# KiCad board Rogelio Pineda - connect 4 AMLDC-2044B.kicad_pcb (continued)
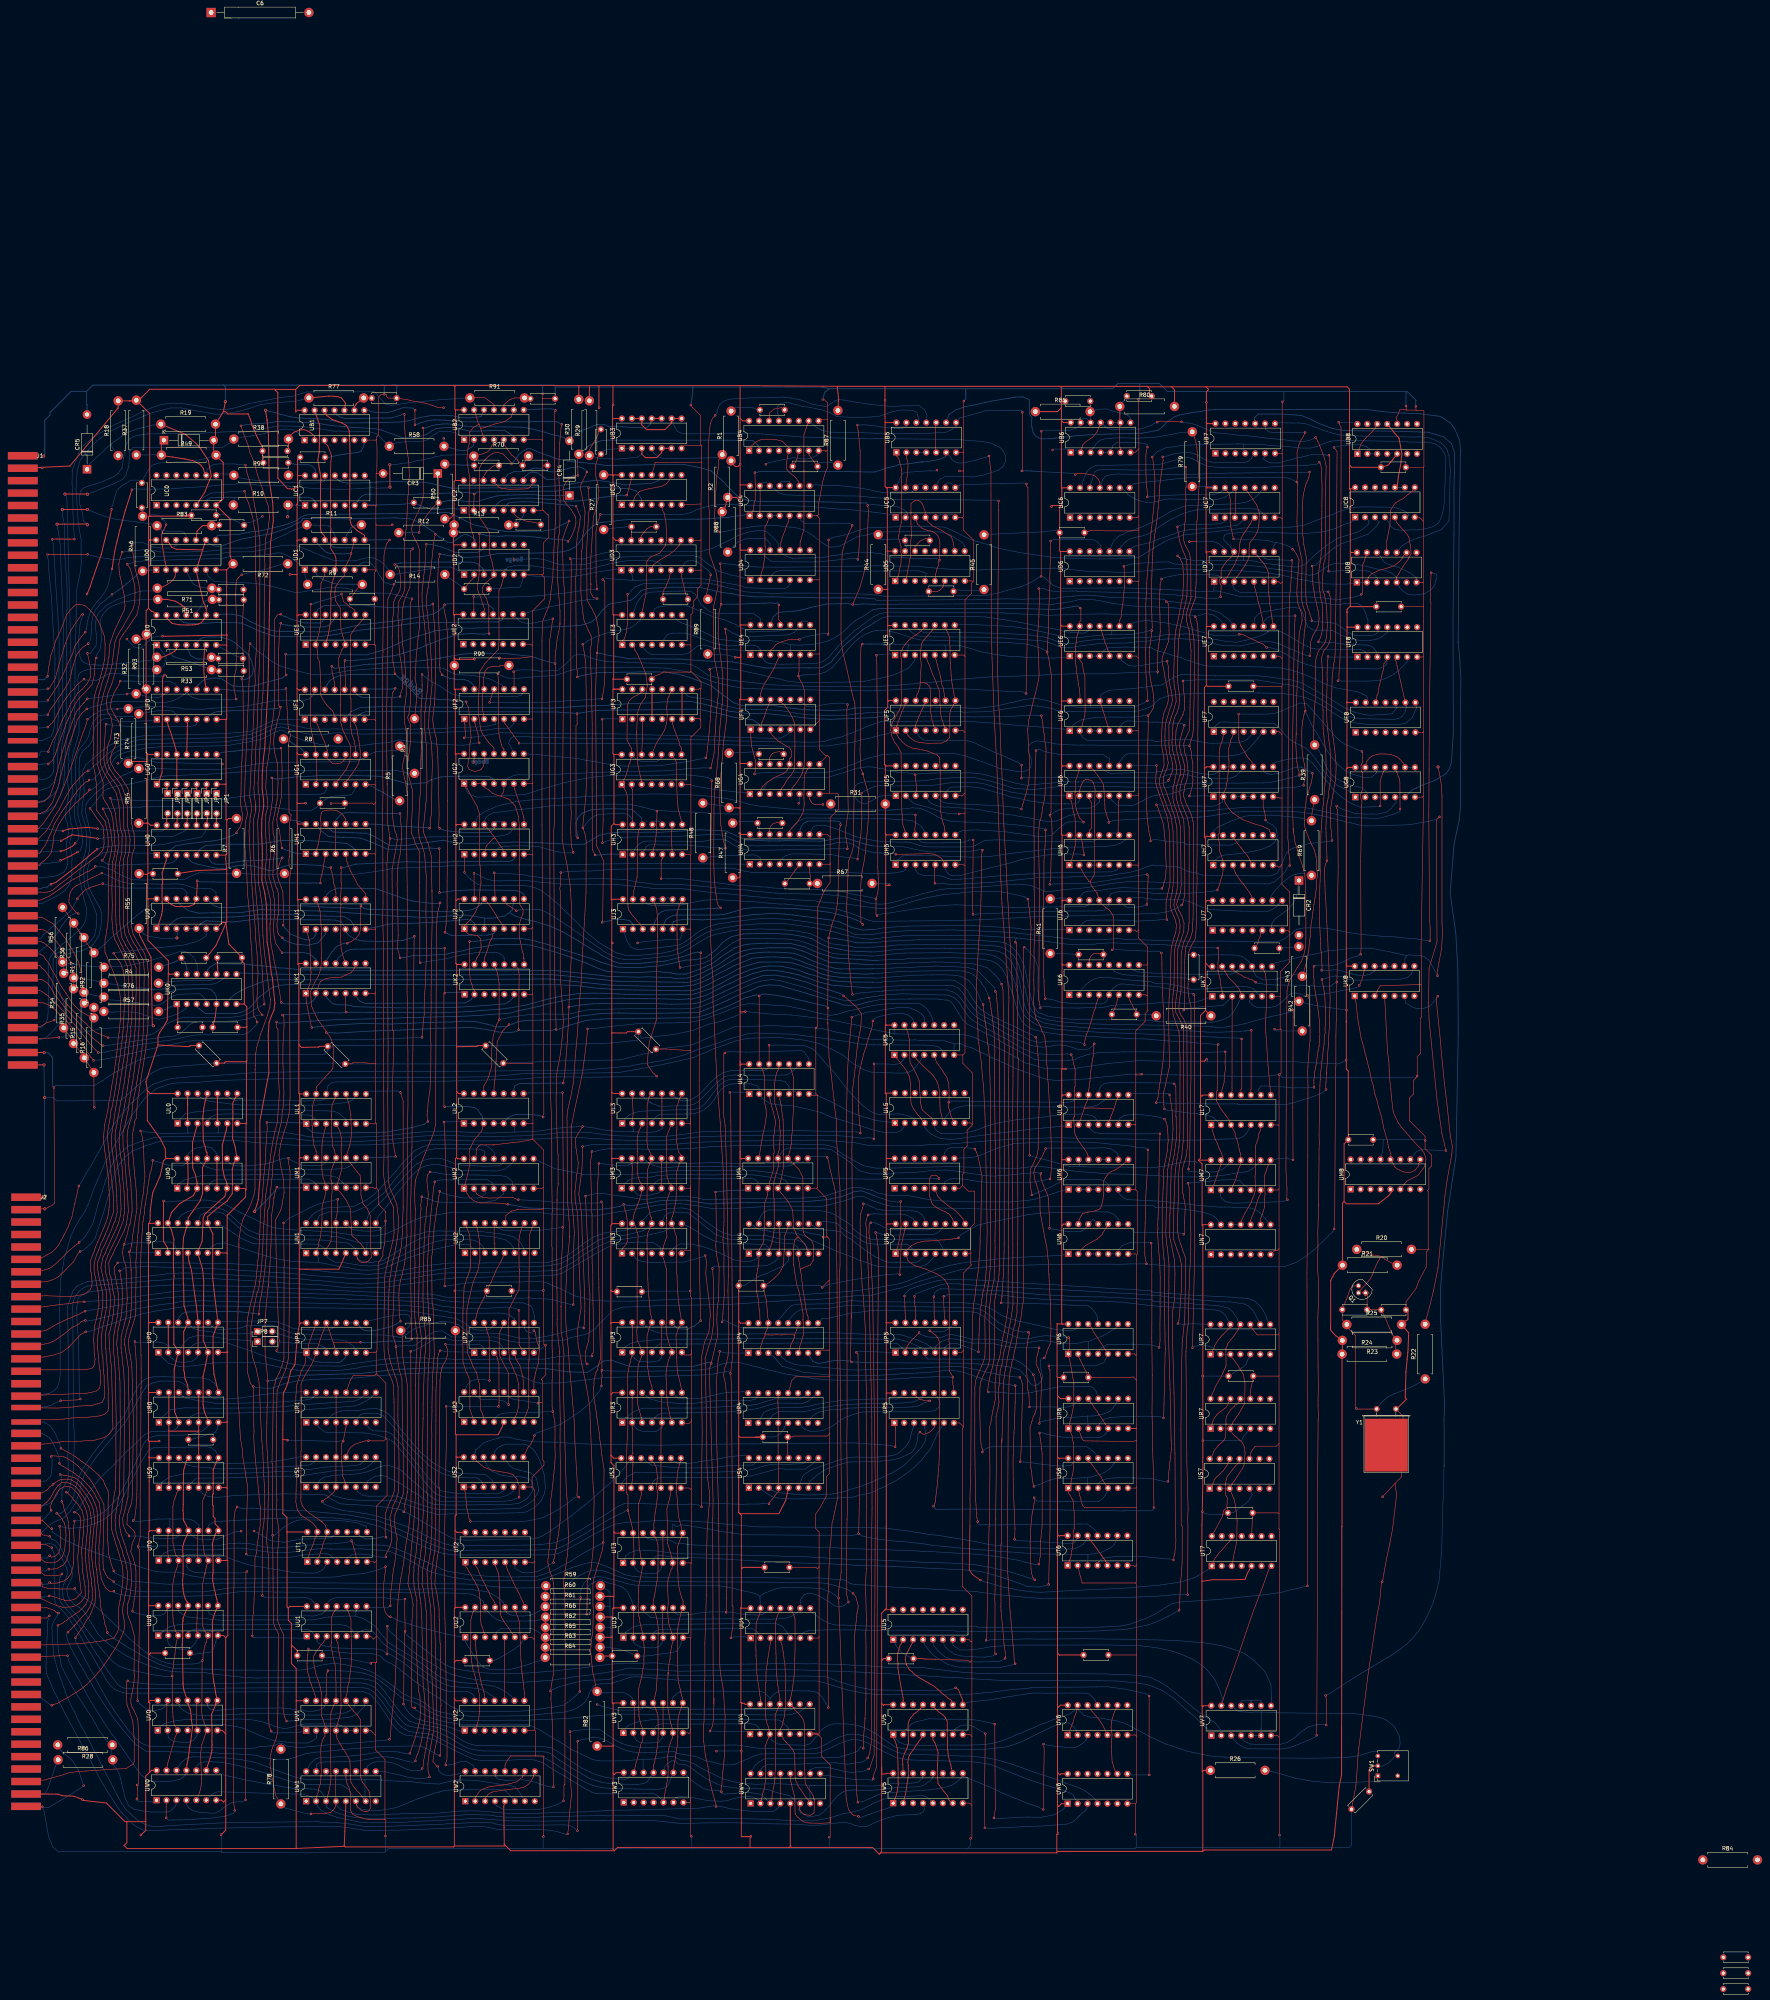
[diagram p0: board, top side]
## Routing (per net, layer and track width the routed paths; a pad name or vN(x,y) marks a point on that pad's centre or on a via; arc(x,y) is an arc through that point) (continued)
  Bottom w0.2: 441.09,317.64 441.26,320.81 441.19,349.87 441.43,371.02 441.45,376.53 441.43,380.21 441.43,382.74 441.62,390.93 441.57,392.17 440.84,394.45 438.77,396.22 434.83,397.39 426.26,397.66 413.26,397.81 410.23,398.4 406.91,399.62 405.1,400.56 402.4,401.69 400.17,401.85 398.69,401.96 395.07,402.05 392.2,402.02 391.43,402.05 390.54,401.16 390.36,399.88 UB7.10 ; 441.09,317.64 440.79,313.18 440.27,311.44 439.4,310.21 436.75,308.56 433.54,307.34 431.86,306.54 430.87,306.14 UG8.6 ; 441.09,317.64 441.09,317.47 441.07,317.45
L2p2: length 211.4
  Top w0.15: v1(183.59,179.32) 184.14,201.68 183.62,217.01 183.6,218.16 v1(183.39,221.22)
  Bottom w0.15: UL2.2 UL2.1 188.18,220.86 187.67,221.37 185.41,221.25 184.24,221.27 183.45,221.22 v1(183.39,221.22) ; UN6.1 340.96,187.15 334.06,186.84 330.71,186.68 327.6,186.46 326.47,186.37 324.55,186.23 322.73,185.97 322.34,185.94 321.42,185.85 318.77,185.61 318.76,185.6 316.58,185.36 315.2,185.12 314,184.88 312.93,184.68 309.63,183.8 308.63,183.4 307.2,182.8 305.77,182.27 304.22,181.6 301.97,180.65 299.56,179.88 295.33,179.16 294.92,179.07 294.46,178.96 293.14,178.76 292.14,178.65 289.11,178.16 284.1,177.75 279.6,177.48 275.72,177.19 265.97,176.83 254.12,176.37 247.45,176.09 237.3,175.72 231.3,175.47 224.44,175.51 221.25,175.7 216.81,176.82 214.42,178 212.41,178.99 211.49,179.27 209.31,180.28 207.77,180.52 204.64,180.43 201.94,180.35 198.4,180.31 197.99,180.34 196.54,180.34 193.02,180.26 192.66,180.22 189.43,180.14 187.23,179.85 185.11,179.47 184.48,179.38 184.26,179.32 v1(183.59,179.32)
L3p1: length 52.5
  Bottom w0.15: UL4.6 273.2,229.08 272.44,229.11 271.73,228.39 UL4.5 271.59,230.16 271.13,230.84 270.56,231.48 269.52,231.83 267.76,231.92 266.61,231.93 264.35,232.04 262.41,232.03 257.54,232.07 256.08,231.98 255.07,231.52 254.27,231.07 253.34,230.27 251.67,227.94 251.41,227.61 249.97,225.79 248.64,224.83 247.53,224.5 243.64,224.37 237.57,224.15 236.8,224.14 233.36,223.95 232.15,223.61 230.81,223.07 230.03,222.43 UL3.1
L3p4: length 74.1
  Bottom w0.15: UL3.4 236.94,221.88 237.58,222.57 238.54,223.18 240.46,223.21 244.7,223.27 245.78,223.27 247.49,223.4 248.73,223.84 250.02,224.49 251.38,225.67 252.44,226.97 253.29,228.48 254.25,229.52 255.16,230.35 256.46,230.88 258.8,231.03 260.43,230.96 261.88,230.98 263.4,230.42 263.78,229.89 263.91,229.75 UL4.2 264.72,227.22 265.49,226.64 266.85,225.89 269.23,225.56 272.21,225.4 277.69,224.2 279.92,223.57 282.08,222.53 284.04,221.97 285.37,221.59 286.47,221.27 287.78,220.83 289.42,220.38 290.35,220.07 292.57,219.34 293.61,219.05 294.47,218.8 295.36,218.67 296.39,218.49 297.49,218.5 298.44,218.5 299.76,218.75 300.43,219.28 300.88,219.95 UL5.2
L3p9: length 79.9
  Top w0.15: 266.42,240.93 266.45,240.89 266.45,240.86 v1(266.42,240.83) 266.45,240.79 UL4.12
  Bottom w0.15: 244.27,226.65 244.77,226.6 245.2,226.66 245.62,226.75 246.42,226.87 248.06,227.83 249.94,229.59 250.63,230.4 251.23,231.1 252.88,232.65 254.57,233.76 256.56,234.35 261.5,234.34 262.25,234.35 264.42,234.37 265.21,234.4 265.73,234.64 265.84,234.76 266.18,235.03 UL4.12 ; UL5.3 303.49,221.96 303.06,222.33 302.54,222.56 300.57,223.18 299.22,223.32 297.76,223.22 296.88,223.19 295.81,223.1 294.7,223.1 293.65,223.35 293.13,223.59 292.22,224.04 290.4,225.41 287.83,227.98 286.3,229.71 283.43,233.44 282.23,234.79 280.58,236.59 279.34,238.11 277.62,239.9 275.3,240.75 273.58,240.74 272.74,240.75 270.71,240.86 267.54,240.87 267.04,240.87 266.78,240.83 v1(266.42,240.83) ; 244.31,226.64 243.8,226.73 242.53,227.45 UL3.9
L3p12: length 45.3
  Bottom w0.15: UL4.9 273.34,235.04 272.54,234.25 271.02,233.24 267.62,233.17 261.73,233.17 257.62,233.23 255.15,232.88 253.03,231.17 249.54,227.56 248.41,226.46 247.36,225.86 246.2,225.46 244.61,225.36 242.94,225.39 239.85,225.25 238.45,225.26 237.2,225.69 236.5,225.96 235.96,226.29 234.66,227.21 UL3.12
L6p3: length 91
  Top w0.15: v1(366.31,218.24) 366.29,216.97 366.25,215.92 366.11,211.44 366.13,210.59 366.06,208.1 366.07,206.62 366.03,203.01 365.99,202.17 365.89,198.98 365.89,198.04 365.81,196.48 365.73,194.78 365.8,194.01 365.69,192.96 365.71,192.94 365.85,190.17 365.94,189.07 366.12,186.88 366.15,186.16 366.25,185.14 366.38,181.52 366.35,174.88 366.35,173.37 366.35,172.17 366.3,169.35 366.34,165.47 366.27,164.71 v1(366.08,163.62)
  Bottom w0.15: v1(366.31,218.24) 365.58,218.29 364.3,218.29 363.69,218.2 352.82,218.21 351.15,218.35 350.51,218.4 349.54,218.57 348.26,219.63 UL6.3 ; UP6.4 350.84,163.01 351.44,163.56 352.8,164.41 355.78,164.41 356.84,164.43 359.63,164.48 361.78,164.33 363.87,164.31 365.25,164 v1(366.08,163.62)
L6p6: length 108.5
  Top w0.15: v1(367.25,145.62) 367.35,149.03 367.4,151.66 367.42,153.26 367.64,162.22 367.67,163.38 367.62,164.93 367.6,166.26 367.59,167.11 367.48,173.11 367.47,173.38 367.46,174.67 367.53,182.22 367.51,184.54 367.34,186.34 367.24,187.16 366.91,191.58 366.9,192.08 366.89,192.93 366.9,199.86 367.03,201.91 367.1,203.9 367.24,205.67 367.22,206.81 367.24,208.91 367.51,210.45 367.72,211.31 367.9,212.25 368.18,213.7 368.22,214.52 368.33,215.63 368.43,216.55 368.4,216.58 368.31,218.68 368.28,219.36 368.13,220.36 367.83,221.32 v1(367.48,221.97)
  Bottom w0.15: 360.74,146.09 362.93,146.09 365.47,145.93 366.44,145.95 v1(367.25,145.62) ; 360.74,146.09 357.77,146.05 356.34,145.94 353.76,145.71 353.21,145.64 352.08,145.33 350.77,144.16 UR6.4 ; 360.74,146.09 360.7,146.13 ; v1(367.48,221.97) 366.48,222.31 365.91,222.45 365.35,222.59 365.02,222.64 364.69,222.69 363.54,222.88 361.91,223.07 360.34,223.12 359.74,223.11 359.38,223.1 357.91,223.03 357.34,222.9 357.12,222.82 356.65,222.53 355.97,222.11 355.75,221.53 355.68,221.16 UL6.6
L6p8: length 129.3
  Top w0.15: v1(368.33,129.42) 368.42,129.51 368.57,131.67 368.65,132.48 368.75,133.47 368.85,134.4 369.03,135.79 369.22,137.55 369.22,139.03 369.17,139.89 369.16,140.32 368.92,151.58 368.94,152.16 368.9,152.95 368.86,154.16 368.57,164.18 368.53,166.07 368.42,173.02 368.46,173.06 368.61,179.28 368.59,180.32 368.63,184.73 368.47,186.46 368.2,189.22 368.02,190 367.8,192.81 367.94,198.57 368.08,202.91 368.18,206.98 368.26,208.99 368.5,210.26 368.77,211.66 369.13,213.98 369.35,215.22 369.48,217.07 369.65,219.3 369.61,220.77 369.4,224.31 369.14,225.99 v1(368.78,228.18)
  Bottom w0.15: v1(368.33,129.42) 367.45,129.42 366.89,129.55 366.19,129.67 364.38,130.1 363.77,130.2 361.98,130.26 361.27,130.27 357.74,130.36 357.22,130.34 355.61,130.34 355.19,130.33 353.63,130.28 352.77,130.11 351.74,129.77 351.32,129.54 350.48,128.83 US6.4 ; v1(368.78,228.18) 368.28,228.51 367.87,228.54 358.98,228.54 358.6,228.15 UL6.8
L7p1: length 17.9
  Top w0.15: UL7.1 379.73,219.07 379.99,218.12 380.49,216.67 381.02,215.63 381.47,214.37 382.1,213.15 382.38,211.98 UM7.13 381.9,210.43 380.91,207.59 380.56,206.51 380.34,205.92 380.34,205.83 380.11,205.29 UM7.1
M0p1: length 48.4
  Bottom w0.15: UM1.6 UM1.5 157.44,205.88 156.13,206.99 155.51,207.22 153.65,207.63 152.81,207.68 151.76,207.76 148.71,207.91 121.68,207.6 119.39,207.07 116.95,206.38 115.22,205.19 UM0.1
M0p4: length 30.1
  Bottom w0.15: UM1.2 150.46,205.62 150.18,205.9 148.67,206.65 139.36,206.47 125.39,206.51 124.61,206.24 124.01,205.97 123.59,205.38 UM0.4
M0p9: length 195.7
  Top w0.15: v1(143.65,211.99) 143.55,211.72 143.7,210.83 144.06,208.57 143.91,198.8 143.89,194.38 143.99,192.54 143.96,189.95 143.94,186.1 143.84,180.58 143.86,174.9 143.78,166.11 143.63,161.2 143.55,160.47 143.35,159.51 142.97,158.13 142.32,156.54 142,155.74 141.57,154.96 140.74,152.5 140.58,143.57 140.64,142.15 140.47,131.89 140.64,127.44 140.61,126.53 140.63,125.99 140.69,124.7 140.58,120.88 141.19,117.19 141.22,115.6 141.17,115.1 141.12,113.94 140.87,111.35 140.87,93.96 140.92,93.83 141.6,91.87 142.33,90.46 142.27,72.89 142.28,71.13 142.62,69.32 v1(143.17,68.22)
  Bottom w0.15: v1(143.17,68.22) 143.2,68.19 144.58,68.28 145.41,68.47 148.36,68.61 149.78,68.61 150.69,68.63 154.79,68.74 156.11,68.86 157.84,69.04 159.06,69.19 159.93,69.41 160.95,69.91 161.39,70.21 163.02,71.98 UV1.8 ; UM0.9 128.57,210.68 129.5,210.2 130.15,210.06 130.53,210.05 131.68,210.01 134.65,210.09 137.12,210.45 138.36,210.7 139.41,210.96 140.91,211.45 141.71,211.72 142.63,211.99 v1(143.65,211.99) 144.54,211.33 147.05,210.22 149.42,210.08 150.19,210.1 151.49,210.13 152.63,210.31 153.38,211.07 UM1.12
M0p12: length 43
  Bottom w0.15: UM1.9 160.89,211.18 160.34,210.68 159.01,209.76 157.9,209.32 156.36,209.24 154.41,209.14 148.18,209.05 145.69,209.07 137.24,209.02 134.93,209 125.14,208.99 122.89,209.67 121.63,210.45 UM0.12
M2p2: length 470.2
  Top w0.15: 223.62,157.79 223.77,156.46 223.62,155.2 v1(223.62,153.84) ; UR5.8 313.54,153.63 313.4,154.33 313.38,154.81 v1(313.39,156.02) 313.45,156.07 312.44,157.75 312.51,159.47 312.57,164.56 312.39,165.29 312.52,167.19 312.55,175.92 312.47,176.59 312.37,179.06 311.93,179.98 311.85,180.13 311.22,181.02 310.76,181.42 309.46,182.36 306.44,183.66 305.99,183.8 304.07,184.4 303.73,184.53 302.51,185.29 301.95,185.82 301.7,186.49 301.53,187.37 UN5.2 301.32,188.3 302.58,189.41 302.89,189.67 303.41,189.99 304.19,190.32 305.12,190.57 305.54,190.72 306.07,190.81 307.36,190.84 ; 314.82,191.61 v1(314.82,191.64) 314.26,191.5 314.03,191.47 313.24,191.33 311.22,191.11 310.35,191.11 309.6,191.02 308.82,190.99 307.32,190.84 ; UM2.2 191.76,202.84 192.34,202.43 193.14,202.05 195.12,201.77 195.85,201.84 197.15,201.83 200.13,201.99 200.78,201.98 201.62,201.66 v1(202.38,201.39) 202.48,201.29 ; v1(223.62,200.84) 223.89,200.19 223.92,199.43 223.79,171.76 223.77,166.71 v1(223.72,157.77) 223.93,157.97 ; US2.8 204.8,138.03 205.56,138.96 205.96,139.87 206.11,140 v1(206.49,141.14) ; v1(372.52,322.54) 372.16,321.34 371.98,320.76 371.86,320.29 371.49,319.07 371.29,317.31 371.69,315.27 372.16,314 372.54,312.42 372.55,310.81 372.23,309.34 371.74,308.07 371.62,307.36 371.49,306.74 371.35,305.39 371.56,303.58 371.72,302.92 372.35,301.37 372.83,300.07 373.27,299.12 373.64,297.38 373.79,296.39 373.76,272.17 373.63,271.23 373.58,270.58 373.44,269.6 373.09,268.67 372.43,267.23 372.13,266.24 371.74,264.22 371.69,254.93 371.64,254.59 371.53,254.01 371.26,251.72 371.15,250.78 371.18,249.71 371.39,249.22 371.7,248.42 372.08,247.98 372.32,247.62 372.52,247.12 373.19,245.75 373.33,215.12 373,212.43 372.54,210.97 372.12,209.42 372.03,204.53 372.09,203.08 372.29,202.69 372.35,202.23 372.44,201.56 372.79,199.59 372.59,195.7 372.56,195.3 372.51,192.67 v1(372.38,192.55)
  Bottom w0.15: 359.13,193.8 359.85,193.08 359.85,193.06 360.89,193.06 360.91,193.08 371.31,192.92 v1(372.38,192.55) ; 359.13,193.8 359.28,193.66 ; 359.13,193.8 358.6,194.47 UN6.8 UN6.9 355.63,196.45 355.61,196.48 355,197.22 354.53,197.65 353.08,198.23 352.34,198.23 349.72,198.32 343.74,198.12 341,198.17 340.49,198.15 338.91,198.06 338.5,198.07 337.35,197.96 335.95,197.97 335.2,197.89 332.65,197.57 330.27,197.12 327.28,196.48 324.19,195.86 323.27,195.68 321.73,195.35 319.84,194.92 317.54,193.69 315.43,192.42 v1(314.82,191.64) ; UF6.6 356.17,322.21 356.58,322.86 357.03,323.3 358.09,323.67 364.39,323.34 365.64,323.37 365.97,323.35 369.06,323.12 369.91,323.12 370.6,323.09 372.05,323.03 372.25,322.54 v1(372.52,322.54) ; v1(223.72,157.77) 224.71,157.66 225.39,157.68 226.22,157.61 229.54,157.61 231.87,157.55 234.94,157.57 237.91,157.61 242.78,157.71 243.98,157.76 249.49,157.93 251.55,158.32 254.25,159.37 255.88,159.73 258.35,159.92 262.47,158.86 266.41,157.87 270.51,156.89 274.83,156.18 276.02,156.02 277.77,155.67 280.74,155.4 286.65,155.19 290.68,155.26 292.24,155.32 293.59,155.39 ; v1(206.49,141.14) 206.79,141.51 206.95,141.77 207.95,142.09 208.58,142.33 213.05,144 214.58,144.9 218.46,147.53 220.72,149.51 221,149.85 223.25,152.71 v1(223.62,153.84) ; v1(202.38,201.39) 203.67,201.31 205,201.24 207.69,201.09 208.67,201.02 209.43,200.99 211.09,200.78 211.69,200.71 218.32,200.47 219.33,200.52 221.23,200.52 222.46,200.58 223.22,200.56 v1(223.62,200.84) ; 293.59,155.39 294.9,155.5 296.53,155.53 297.63,155.53 298.61,155.61 299.08,155.61 302.02,155.8 302.77,155.91 305.04,156 306.68,156.06 308.22,156.09 308.32,156.13 308.7,156.19 310.72,156.12 311.53,156.13 312.33,156.13 v1(313.39,156.02) ; 293.59,155.39 293.79,155.4
M2p3: length 177.9
  Top w0.15: v1(179.68,54) 179.68,54.27 179.55,54.69 179.42,55.07 179.31,55.5 179.28,57.46 179.46,58.81 179.61,60.04 179.97,61.52 180.61,65.19 180.78,66.9 180.66,70.07 180.64,71.08 180.42,77.22 180.39,77.71 180.17,82.4 180.16,88.88 180.07,95.3 179.89,97.85 179.7,99.09 179.33,101.3 179.09,105.13 179.04,106.2 179.17,107.47 179.48,108.68 179.84,110.85 179.94,112.01 179.95,112.55 180.06,113.18 180.07,114.14 180.25,116.91 180.31,118.94 180.28,120.23 180.32,123.94 180.32,124.49 180.29,125.68 180.2,136.66 180.28,141.52 180.22,142.97 180.33,147.62 180.3,148.26 180.39,153.48 180.39,154.93 180.82,161.01 180.92,161.97 ; 180.91,161.88 180.6,173.8 180.35,175.1 180.22,186.7 180.39,187.85 180.73,192.31 180.86,194.1 181.11,195.83 181.35,197.62 181.5,199.15 181.75,200.05 182.01,201.88 182.14,202.52 v1(182.27,203.53)
  Bottom w0.15: v1(179.68,54) 179.55,53.88 179.02,53.72 177.43,53.51 176.25,53.54 175.11,53.74 174.05,53.91 172.16,54.43 170.97,54.68 168.57,55.21 167.33,55.31 UW1.9 ; UM2.3 193.97,203.82 193.97,203.04 193.18,202.21 193.03,202.06 191.99,201.81 188.94,201.81 188.02,201.87 187.23,202.05 184.84,202.53 184.18,202.71 183.1,203.08 182.63,203.29 v1(182.27,203.53)
M2p4: length 183.4
  Top w0.15: v1(181.02,205.96) 180.77,204.7 180.17,198.98 180.04,197.66 179.57,192.56 179.5,191.4 179.25,186.48 179.21,185.67 179.21,184.63 179.18,179.82 179.25,177.56 179.25,176.78 179.57,169.97 179.68,169.48 179.78,162.22 179.54,160.49 179.36,157.29 179.29,155.48 179.15,146.26 179.03,126.63 179.16,125.93 179.17,125.29 179.16,120.62 179.11,120.13 179.04,119.37 179.04,115.11 178.92,114.99 178.68,112.89 178.63,111.5 178.42,109.48 178.21,108.44 177.85,106.6 177.92,104.34 177.8,103.12 177.93,102.67 178.17,101.67 178.52,99.5 178.65,97.89 178.86,96.22 179.07,81.45 179.11,79.91 179.3,77.77 179.35,76.5 179.39,75.89 179.53,71.86 179.63,70.14 179.73,66.16 179.33,64.42 179.07,63.09 178.94,62.08 178.77,61.33 178.56,60.16 178.48,59.5 178.19,58.16 178.06,56.73 v1(177.8,56.11)
  Bottom w0.15: UW1.10 163.89,56.81 165.12,57.64 165.79,57.78 166.55,57.85 167.43,57.86 169.24,57.75 170.67,57.42 172.48,56.61 173.72,55.99 174.87,55.62 175.81,55.57 176.72,55.54 177.3,55.64 v1(177.8,56.11) ; v1(181.02,205.96) 181.78,206.24 182.36,206.38 183.1,206.43 183.68,206.51 183.99,206.45 185.22,206.44 189.34,206.49 191.4,206.51 192.71,206.5 194.38,206.51 195.81,205.67 UM2.4
M2p6: length 202.3
  Top w0.15: 178.52,68.63 178.5,68.64 ; 178.5,68.64 178.5,71.91 178.51,73.4 178.23,76.15 178.04,77.86 177.83,89.2 177.7,94.91 177.47,98.32 177.27,99.65 177.14,100.54 176.76,104.17 176.79,105.82 176.84,106.76 176.85,107.16 177.41,110.64 177.5,111.89 177.58,112.46 177.57,112.47 177.69,115.57 178.1,121.56 178.03,124.34 178.09,125.51 178.11,126.66 177.86,136.82 178.04,145.48 178.05,145.5 178.05,149.02 178.12,151.6 178.46,161.21 178.72,163.64 178.67,163.69 178.79,165.69 178.59,167.79 178.33,170.36 178.02,175.64 178.05,182.14 178.12,183.16 178.32,190.34 178.43,192.04 178.51,195.08 178.77,196.58 178.87,198.91 179.18,200.34 179.23,201.25 179.39,202.67 179.13,204.83 179.03,206.27 179.08,207.21 179.28,207.83 179.81,208.36 v1(179.81,208.49) ; 178.5,68.64 178.24,66.96 177.82,64.12 177.37,62.1 176.73,59.94 176.35,59.24 v1(176.09,58.04)
  Bottom w0.15: UM2.6 200.85,205.98 200.18,206.64 199.71,207.04 199.11,207.29 197.81,207.54 196.1,207.61 195.9,207.61 192.23,207.68 191.77,207.71 191.27,207.69 186.82,207.74 185.12,207.78 183.77,207.85 182.21,208.13 181.61,208.28 180.88,208.39 180.33,208.41 v1(179.81,208.49) ; 150.71,55.38 150.79,57 151.06,57.33 151.61,57.61 151.85,57.65 152.9,57.78 153.69,57.81 154.74,57.8 156.34,57.81 159.89,57.9 161.08,58.03 163.09,58.35 164.85,58.65 166.69,59.01 167.73,59.12 168.87,59.07 170.12,58.95 172.57,58.36 174.03,57.92 175.37,57.71 v1(176.09,58.04)
M2p9: length 122.9
  Top w0.15: UN5.10 313.53,195.69 313.38,196.43 312.91,197.03 312.81,197.3 312.33,197.77 311.91,197.97 311.47,198.29 310.63,198.63 309.2,199.38 308.36,200.01 307.94,200.73 307.86,200.97 307.49,202.23 307.44,206.34 307.58,207.1 307.86,207.52 308.58,207.62 309.24,207.53 309.56,207.25 309.84,206.83 v1(309.86,206.81) 309.89,206.83 309.96,206.83
  Bottom w0.15: UM2.9 208.78,210.71 211.57,209.35 214.85,208.67 216.7,208.3 219.04,207.82 222.03,207.89 227.35,207.86 228.17,207.81 231.61,207.89 232.68,207.97 234.92,208.11 239.39,208.62 240,208.74 244.74,208.83 247.47,208.78 254.11,208.87 258.19,208.84 258.02,208.8 258.58,208.84 262.36,208.84 262.89,208.77 266.08,208.39 268.17,208.14 269.35,207.86 270.7,207.53 272.92,206.99 274.42,206.85 278.9,206.82 292.82,206.64 308.56,206.81 309.86,206.81 v1(309.86,206.81)
M3p1: length 48.1
  Bottom w0.15: 230.32,206.15 230.39,206.23 230.4,206.23 ; 230.32,206.15 228.82,204.65 UM3.1 ; 230.32,206.15 231.46,206.83 233.66,207 236.37,207.16 237.73,207.52 242.5,207.84 245.27,207.78 252.53,207.71 254.53,207.76 260.95,207.8 262.66,207.68 266.84,207.11 268.8,206.89 269.82,206.72 270.68,206.32 271.22,205.51 UM4.5 UM4.6
M3p4: length 30.1
  Bottom w0.15: UM3.4 237.08,205.26 237.46,205.85 238.24,206.43 240,206.79 242.36,206.8 244.13,206.82 244.83,206.79 254.4,206.71 258.52,206.81 261.05,206.85 261.74,206.86 262.85,206.6 263.62,205.88 263.62,205.63 263.61,205.63 UM4.2
M3p9: length 25.7
  Bottom w0.15: UM4.12 265.8,211.07 265.04,210.68 265.03,210.67 263.75,210.59 262.55,210.57 260.1,210.64 258.47,210.65 254.41,210.76 253.8,210.8 251.84,210.87 248.14,210.72 244.06,210.63 243.55,210.7 242.81,211.04 241.77,211.92 UM3.9
M3p12: length 41.4
  Bottom w0.15: UM4.9 273.36,211.13 273.01,210.83 272.75,210.62 272.13,210.21 270.97,209.97 264.63,209.89 264.15,209.87 262.42,209.82 257.84,209.79 256.35,209.9 255.54,209.84 253.12,209.84 252.42,209.81 251.26,209.88 243.78,209.87 240.59,209.6 239.21,209.51 236.81,210.15 235.57,210.88 235.1,211.31 234.2,211.92 UM3.12
M5p5: length 12.4
  Top w0.15: UM5.5 308.97,204.01 309.12,203.29 309.46,202.5 309.55,202.29 309.81,201.97 310.53,201.19 310.96,200.85 311.22,200.61 312.08,199.93 312.72,199.48 313.55,198.95 313.94,198.64 314.54,198.09 314.79,197.85 315.28,197.29 315.39,197.17 315.97,196.56 316.12,195.64 UN5.9
M5p9: length 191.7
  Top w0.15: 320.5,194.85 320.55,194.8 ; 320.55,194.8 320.34,191.57 320.37,190.83 320.27,187.79 320.11,186.38 320.05,184.76 319.77,182.23 319.47,180.67 319.38,179.54 319.18,178.28 319.09,177.03 318.86,175.71 318.68,174.47 318.57,172.92 318.48,172.08 318.37,166.87 318.14,160.19 317.98,133.68 317.93,132.16 317.92,130.24 317.87,129.31 317.76,124.81 317.81,123.33 317.76,118.17 ; 320.55,194.8 320.63,200.26 320.66,201.14 320.83,207.32 320.56,208.69 320.44,209.6 320.18,210.76 319.79,212.59 319.37,213.65 v1(319.01,214.32) ; UT7.1 380.17,109.51 380.8,110.3 380.96,110.59 381.46,111.27 382.22,111.99 383.37,113.39 384.19,114.23 384.64,115.45
  Top w0.2: 317.76,118.17 317.58,106.85 318.15,105.99 318.72,105.4 320.39,104.25 v1(320.45,104.25)
  Bottom w0.15: v1(319.01,214.32) 318.93,214.32 318.22,214.51 ; UM5.9 311.2,213.29 311.9,214.28 312.67,214.61 313.16,214.65 313.56,214.66 314.4,214.66 316.5,214.67 318.18,214.52 ; UT7.1 378.3,106.69 377.36,106.19 376.03,105.36 374.94,104.76 373.12,104.24 372.27,103.98 371.52,103.76 367.76,103.16 365.47,102.86 362.55,102.64 360.95,102.51 358.4,102.24 357.44,102.2 356.08,102.09 354.31,102.03 353.08,101.96 347.69,101.74 343.34,101.53 341.35,101.42 335.83,101.1 333.54,101.22 329.81,101.74 328.7,101.99 325.73,102.52 324.43,102.97 322.54,103.52 321.32,103.81 v1(320.45,104.25)
M6p2: length 5.1
  Bottom w0.15: UM6.2 UM6.3 UM6.4
M6p6: length 42.1
  Bottom w0.15: UM6.6 355.68,203.56 355.87,202.94 356.33,202.43 356.74,202.13 357.15,201.82 357.85,201.4 367.38,200.96 369.01,200.72 369.79,200.54 370.81,200.54 372.73,200.31 373.49,200.29 374.8,200.05 376.76,199.87 381.68,199.48 382.75,199.52 383.7,199.5 384.83,199.47 385.66,199.41 388.93,199.37 389.87,199.1 391.13,198.6 391.98,197.96 393.23,196.5 393.49,196.22 393.88,195.69 UN7.8
M6p8: length 23.3
  Top w0.15: UN6.13 345.66,196.32 346.49,197.8 347.52,198.1 347.77,198.18 348.83,198.33 349.83,198.54 350.51,198.8 351.13,199.2 351.29,199.65 351.45,200.15 351.68,200.96 351.86,202.36 351.95,206.2 352.45,207.1 352.71,207.47 353.35,208.2 353.92,208.61 354.95,209.01 356.46,210.11 356.95,210.52 UM6.8
M6p11: length 2.5
  Bottom w0.15: UM6.11 UM6.10
M7p6: length 9.3
  Top w0.15: UM7.6 392.03,202.9 391.82,202.47 391.52,201.89 390.82,199.74 390.39,198.39 390.05,197.56 389.77,196.87 389.49,196.11 UN7.10
MSKO: length 47
  Top w0.15: UJ1.11 155.79,279.74 155.54,280.61 155.52,281.28 155.21,282.14 155,283.81 154.73,285.01 154.45,285.75 154.45,286.17 v1(154.49,286.2) 154.45,286.24 154.45,286.26
  Bottom w0.2: UH0.4 118.05,288.4 118.2,288.28 119.07,287.53 120.33,287.08 122.78,286.55 125.29,286.03 127.71,286 129.99,286.56 132.33,286.87 133.8,286.73 135.31,286.43 136.5,286.09 137.39,285.88 138.53,285.52 139.91,285.46 140.77,285.92 143.98,286.92 146.66,287 151.42,286.77 152.49,286.57 153.08,286.42 153.63,286.24 v1(154.49,286.2)
N0p2: length 289.4
  Top w0.25: 111.88,201.08 111.85,201.05 v1(111.72,201.05) 111.72,200.92 111.71,200.92 111.7,190.83 112.76,189.04 UN0.2
  Bottom w0.15: v1(111.72,201.05) 112.48,200.8 115.44,201.04 121.16,201.3 123.31,201.25 124.19,201.06 126.65,200.57 129.33,199.19 131.54,198.03 135.07,196.34 137.27,195.26 139.97,194.19 144.2,193.71 148,193.52 155.01,193.12 156.98,192.8 160.23,192.38 161.71,192.18 166.13,192.11 168.5,192.65 171.16,193.81 173.37,194.95 175.32,195.94 177.91,196.95 183.7,197.87 184.95,198.09 207.12,198.2 210.8,197.7 213.71,197.55 214.71,197.41 222.13,197.23 224.51,197.69 228.2,198.33 229.92,198.58 234.21,199.34 236.45,199.75 239.02,200.15 241.13,200.33 243.79,200.36 247.38,199.94 251.96,199.11 257.94,199.17 267.51,199.76 280.07,199.69 281.54,200.05 283.97,200.64 285.42,201.05 287.07,201.54 288.91,202.26 289.57,202.25 290.53,202.18 292.82,201.17 294.11,200.75 294.73,200.5 295.55,200.25 296.64,199.91 298.31,199.64 299.32,199.61 310.28,199.28 311.59,199.22 317.21,199.12 317.45,199.09 317.73,199.1 323.99,198.92 325.69,198.89 328.9,198.93 330.09,199.23 332.57,199.45 333.58,199.57 337.81,199.67 338.66,199.65 355.67,199.83 356.59,199.86 363.82,199.88 364.56,199.85 365.18,199.44 367.81,199.37 369.51,199.19 371.95,199 372.64,198.87 375.16,198.6 375.35,198.55 376.74,198.27 378.49,197.83 379.26,197.58 380.15,197.07 380.98,196.32 UN7.13
N0p6: length 108.9
  Top w0.15: UN1.2 151.03,189.08 151.35,189.48 151.39,190.55 151.85,191.91 152.1,194.71 152.21,196.36 152.21,199.2 152.57,200.95 152.96,202.1 UM1.3 152.82,206.12 152.46,207.12 152.28,208.09 152.18,209.24 152.18,210.03 152.2,215.03 152.28,216.02 152.57,217.81 152.86,218.78 UL1.3
  Bottom w0.15: UN2.2 190.78,188.9 190.07,189.73 189.22,190.04 188.18,189.94 ; UN1.2 151.34,186.32 151.34,185.31 ; 151.34,185.31 149.06,185.44 144.57,185.62 140.17,186.36 135.25,187.87 132.52,188.76 127.25,190.34 125.35,190.14 123.98,189.41 UN0.6 ; 151.34,185.31 152.33,185.21 156.12,184.39 157.91,184.21 160.45,183.74 162.25,183.4 164.82,183.39 166.59,183.6 168.3,184.03 170.83,185.07 174.09,186.48 177.2,187.53 179.62,188.43 184.58,189.5 186.86,189.96 187.41,189.91 188.41,189.94
N0p8: length 117.3
  Top w0.15: 154.62,198.26 154.71,197.6 154.71,194.41 154.61,194.32 154.61,191.95 ; 154.61,198.19 154.69,200.85 154.61,201.42 154.83,203.89 154.74,203.99 154.74,205.95 154.54,206.3 154.51,206.37 154.51,208.67 155.05,210.14 UM1.11 155.33,214.12 154.94,215.09 154.76,217.56 154.69,217.63 154.69,222.62 154.58,222.73 154.69,223.26 154.76,225.45 155.58,227.42 UL1.11 ; 154.61,192.09 154.51,190.84 153.86,189.55 153.24,188.89 UN1.3
  Bottom w0.15: UN2.3 193.42,189.26 192.48,190.42 191.18,191 189.43,191.21 185.15,191.22 183.12,191.1 180.54,190.48 178.12,189.46 174.96,188.27 171.7,186.74 169.99,185.97 168.68,185.41 168.03,185.1 166.91,184.64 164.51,184.44 163.73,184.48 162.2,184.59 157.91,185.28 155.67,185.43 154.33,186.08 153.64,186.6 UN1.3 152.87,188.86 152.49,189.24 151.3,189.97 147.8,190.09 147.09,190.05 146.2,190.08 136.73,190.11 135.08,190.12 134.1,190.38 131.28,191.65 129.79,192.76 128.31,193.66 UN0.8
N0p10: length 141.9
  Top w0.15: 161.37,186.14 161.34,186.24 ; 161.34,186.24 161.15,186.72 UN1.6 ; 161.34,186.24 161.72,185.7 162.39,185.32 163.14,185.33 163.26,185.35 163.64,185.5 ; 159.59,223.01 159.08,225.99 158.69,227.12 UL1.10 ; 163.64,185.5 163.51,185.46 ; 163.64,185.5 164.14,185.75 164.81,186.69 164.61,190.67 164.64,191.51 164.58,197.34 163.74,199.12 162.73,200.35 162.18,202.42 162.12,206.44 162.02,206.53 161.96,207.63 161.21,208.48 159.69,210.45 UM1.10 158.69,213.3 159.2,214.89 159.59,216.67 159.72,218.19 159.57,223.17
  Bottom w0.15: UN2.6 201.07,189.19 200.39,190.16 199.17,191.1 197.54,191.53 196.41,191.79 195.28,191.97 193.6,192.13 192.83,192.23 191.73,192.31 184.21,192.3 183.78,192.32 182.98,192.31 179.05,191.89 177.26,191.44 175.48,190.52 174.06,189.71 172.01,188.51 167.92,185.92 164.76,185.32 163.69,185.43 162.78,185.56 162.06,185.79 161.28,186.44 UN1.6 160.89,188.7 159.92,189.54 158.92,190.27 158.35,190.35 155.37,190.63 154.65,190.73 153.89,190.97 152.18,191.08 139.54,191.19 137.99,191.18 135.66,191.27 133.47,192.21 132.7,192.65 127.08,197.76 126.05,198.18 124.72,198.28 122.29,198.09 121.12,197.39 UN0.10
N0p12: length 134.4
  Top w0.15: UN1.7 162.75,189.34 162.31,189.84 162.14,190.15 161.43,190.76 160.91,191.35 159.89,192.15 159.77,193.35 159.46,199.12 ; 159.39,199.17 158.76,200.51 158.49,201.14 157.61,202.31 157.09,203.03 UM1.4 156.78,207.42 157.22,209.04 157.31,210.01 157.24,210.6 157.11,213.52 157.11,215.13 157.15,215.17 157.15,217.34 156.82,218.72 156.47,219.64 155.81,220.46 UL1.4
  Bottom w0.15: 163.75,190.39 162.96,190.35 161.83,190.35 156.54,191.85 152.97,192.25 146.45,192.28 144.89,192.18 136.13,192.53 133.31,193.69 131.9,194.74 127.67,198.5 125.89,199.27 125.39,199.39 121.27,199.31 119.76,198.9 117.93,198.37 116.52,197.65 115.74,196.92 UN0.12 ; 163.75,190.39 164.89,190.43 165.2,190.35 166.82,190.51 168.2,190.55 170.32,190.92 172.86,191.52 176.94,192.55 178.99,193.17 182.12,193.41 183.3,193.36 191.85,193.37 198.55,192.53 201.17,191.92 202.09,191.19 203.08,190.18 203.65,189.15 UN2.7 ; 163.75,190.39 163.61,188.9 ; UN1.7 163.61,187.96 163.61,188.9 ; 163.61,188.9 163.59,188.89
N1p4: length 519.7
  Top w0.15: 253.02,46.3 v1(252.9,46.4) 252.88,46.87 252.44,48.35 251.34,52.58 251.22,53.63 250.83,56.61 250.15,59.48 249.93,61.67 249.71,63.05 249.72,64.98 249.65,66.98 249.83,68.03 249.99,78.9 250.03,78.94 250.03,88.07 250.16,91.33 250.41,100.43 250.39,100.45 250.46,110.21 250.62,116.82 251.01,122.15 251.13,123.28 251.22,124.84 251.17,127.06 250.76,130.09 250.64,131.61 250.58,132.85 250.52,135.29 250.51,139.42 250.49,144.31 250.22,154.81 250.11,160.81 250.49,162.17 250.89,163.61 251.76,166.15 252,168 252.24,169.57 252.27,174.11 252.29,178.03 252.24,180.32 v1(252,183.79) ; 149.45,44.45 v1(149.41,44.51) 153.17,44.67 154.31,44.85 154.39,44.85 154.91,45.32 155.51,46.03 155.63,46.45 155.79,47.76 155.7,50.69 155.75,55.25 ; UW4.13 UW4.4 ; UN4.4 269.1,187.79 269.2,192.5 ; 142.37,195.57 142.37,195.5 v1(142.41,195.46) 142.51,185.84 142.56,184.85 142.52,184.31 142.49,160.79 142.01,159.06 141.29,157.12 140.49,155.67 140.26,154.54 139.8,153.08 139.62,141.47 139.56,140.51 139.45,134.12 139.56,134.01 139.56,115.7 v1(139.61,115.66) 139.56,115.61 139.56,114.9 139.65,112.22 139.78,93.41 140.12,92.4 140.53,91.56 141.07,90.62 140.96,72.79 140.93,70.46 140.87,68.98 140.89,68.08 140.91,67.49 140.85,67.09 140.95,65.91 140.83,65 140.57,64.1 140.17,62.82 139.66,61.59 139.26,60.56 139.24,60.56 139.14,59.75 138.95,59.04 139.01,58.06 138.95,57.54 138.93,57.17 139.1,56.15 139.23,55.28 139.32,54.4 139.39,53.93 139.68,52.9 139.89,51.58 140.09,50.78 140.22,49.95 140.49,48.96 R78.1 ; 156.26,201.47 v1(156.23,201.47) 156.17,199.19 156.08,198.07 155.99,197.31 155.77,196.59 155.78,196.56 UN1.13 155.83,194.34 155.9,192.49 155.93,188.97 UN1.4 ; 269.22,192.33 UN4.13
  Bottom w0.15: R78.1 142.76,46.01 144.85,45.48 147.22,44.83 149.3,44.4 v1(149.41,44.51) ; UT1.8 163.49,116.75 163.54,117.99 162.01,118.5 161.09,118.89 158.46,119.26 156.5,119.46 146.96,119.63 145.67,119.44 144.54,118.99 142.87,117.98 142.3,117.62 141.69,117.06 140.06,115.66 v1(139.61,115.66) ; UW4.4 268.8,46.07 268.25,45.65 267.45,45.1 264.12,45.1 262.14,45.19 260.86,45.29 259.89,45.4 256.66,45.82 255.87,46 255.17,46.22 254.41,46.34 253.76,46.48 v1(252.9,46.4) 252.44,46.54 252.2,46.56 251.19,46.4 248.37,45.97 246.8,45.89 245.41,45.9 240.58,45.76 237.73,45.64 224.67,45.41 224.04,45.28 222.85,45.24 219.36,45.02 217.28,45 208.38,44.73 201.62,44.55 199.86,44.63 195.9,44.99 194.77,45.11 191.9,45.28 189.41,45.29 188.72,45.25 187.64,45.24 185.5,45.08 185.31,45.02 181.56,44.7 174.55,44.59 173,44.56 171.86,44.51 166.11,44.23 161.2,44.39 158.46,45.1 157.06,45.59 155.91,46.75 155.79,47.76 ; UN4.4 268.69,186.32 268.02,185.68 266.65,184.85 265.66,184.51 257.91,184.28 256.4,184.27 253.99,184.36 252.4,184.41 252,183.85 v1(252,183.79) ; v1(142.41,195.46) 143.74,196.61 145.9,197.64 149.04,199.3 151.17,200.24 153.47,200.82 v1(156.23,201.47)
